# Allegro board HB1A-AAFM.brd (continued)
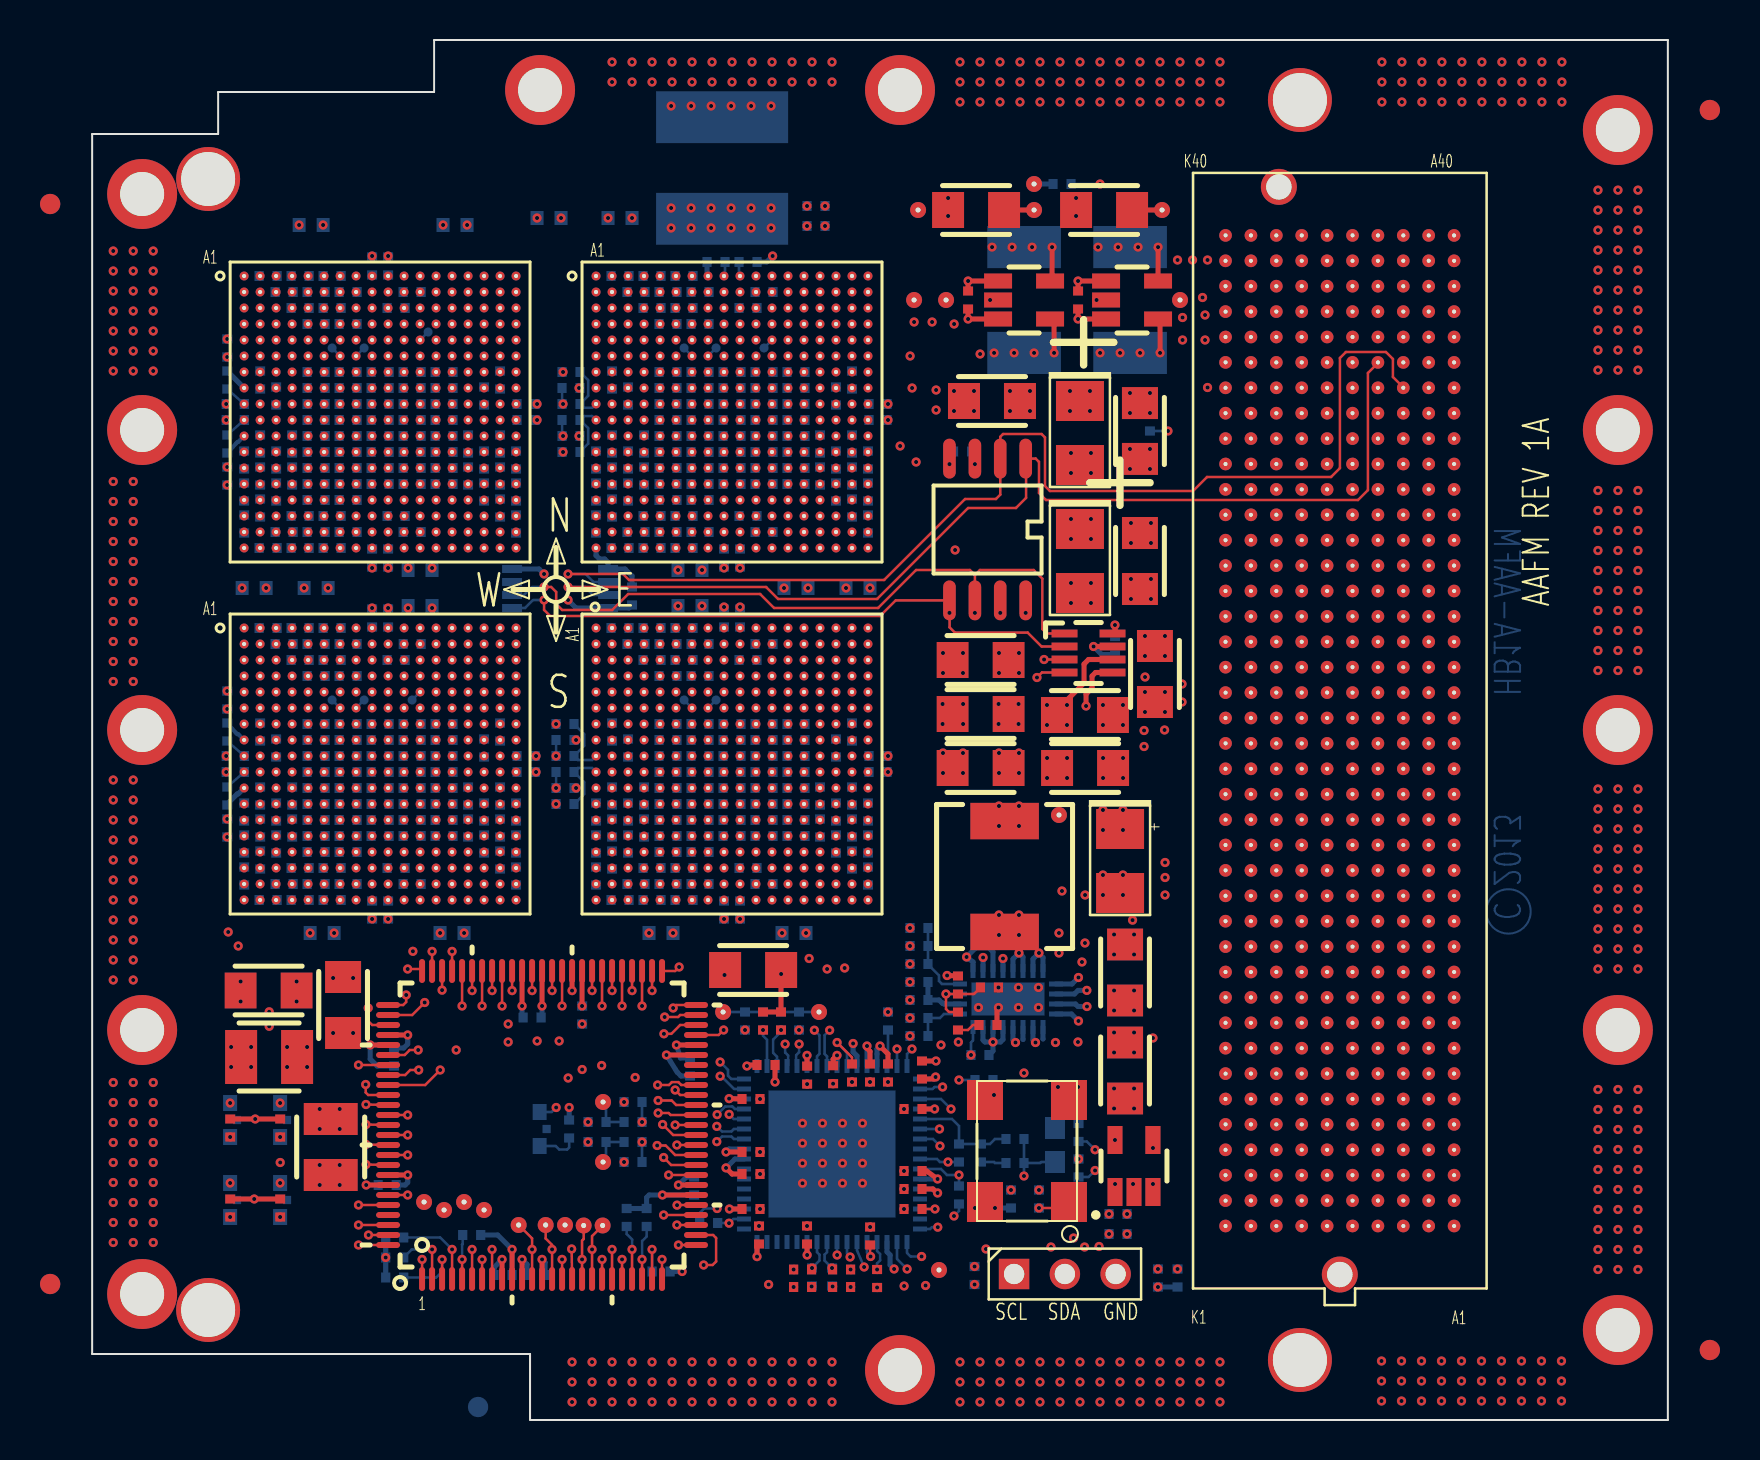
[diagram p0: board, top side]
## Nets (continued)
LR_LL_WE_DATA_P_1: R188.1 U7.T17(RXI_EA_DATA_P1) U8.F3(TXO_WE_DATA_P1)
LR_LL_WE_DATA_P_2: R194.1 U7.R16(RXI_EA_DATA_P2) U8.E2(TXO_WE_DATA_P2)
LR_LL_WE_DATA_P_3: R199.1 U7.P15(RXI_EA_DATA_P3) U8.D1(TXO_WE_DATA_P3)
LR_LL_WE_DATA_P_4: R179.1 U7.R18(RXI_EA_DATA_P4) U8.E4(TXO_WE_DATA_P4)
LR_LL_WE_DATA_P_5: R187.1 U7.P17(RXI_EA_DATA_P5) U8.D3(TXO_WE_DATA_P5)
LR_LL_WE_DATA_P_6: R193.1 U7.N16(RXI_EA_DATA_P6) U8.C2(TXO_WE_DATA_P6)
LR_LL_WE_DATA_P_7: R198.1 U7.M15(RXI_EA_DATA_P7) U8.B1(TXO_WE_DATA_P7)
LR_LL_WE_FRAME_N: R186.2 U7.L17(RXI_EA_FRAME_N) U8.K4(TXO_WE_FRAME_N)
LR_LL_WE_FRAME_P: R186.1 U7.M17(RXI_EA_FRAME_P) U8.J4(TXO_WE_FRAME_P)
LR_LL_WE_LCLK_N: R178.2 U7.M18(RXI_EA_LCLK_N) U8.G1(TXO_WE_LCLK_N)
LR_LL_WE_LCLK_P: R178.1 U7.N18(RXI_EA_LCLK_P) U8.F1(TXO_WE_LCLK_P)
LR_LL_WE_RD_WAIT_N: R147.2 U7.J17(RXO_EA_RD_WAIT_N) U8.H2(TXI_WE_RD_WAIT_N)
LR_LL_WE_RD_WAIT_P: R147.1 U7.K17(RXO_EA_RD_WAIT_P) U8.G2(TXI_WE_RD_WAIT_P)
LR_LL_WE_WR_WAIT_N: R136.2 U7.K16(RXO_EA_WR_WAIT_N) U8.J3(TXI_WE_WR_WAIT_N)
LR_LL_WE_WR_WAIT_P: R136.1 U7.L16(RXO_EA_WR_WAIT_P) U8.H3(TXI_WE_WR_WAIT_P)
LR_RESET_L: R195.2 TP24.1(TP) U8.F11(RESET_N) U9.5(IO_B0_5)
LR_RXI_EA_DATA_N_0: P1.J25(HB01_N) R44.2 U8.T18(RXI_EA_DATA_N0)
LR_RXI_EA_DATA_N_1: P1.F23(HB02_N) R52.2 U8.R17(RXI_EA_DATA_N1)
LR_RXI_EA_DATA_N_2: P1.E22(HB03_N) R59.2 U8.P16(RXI_EA_DATA_N2)
LR_RXI_EA_DATA_N_3: P1.F26(HB04_N) R64.2 U8.N15(RXI_EA_DATA_N3)
LR_RXI_EA_DATA_N_4: P1.E25(HB05_N) R43.2 U8.P18(RXI_EA_DATA_N4)
LR_RXI_EA_DATA_N_5: P1.K29(HB06_N_CC) R51.2 U8.N17(RXI_EA_DATA_N5)
LR_RXI_EA_DATA_N_6: P1.J28(HB07_N) R58.2 U8.M16(RXI_EA_DATA_N6)
LR_RXI_EA_DATA_N_7: P1.F29(HB08_N) R63.2 U8.L15(RXI_EA_DATA_N7)
LR_RXI_EA_DATA_P_0: P1.J24(HB01_P) R44.1 U8.U18(RXI_EA_DATA_P0)
LR_RXI_EA_DATA_P_1: P1.F22(HB02_P) R52.1 U8.T17(RXI_EA_DATA_P1)
LR_RXI_EA_DATA_P_2: P1.E21(HB03_P) R59.1 U8.R16(RXI_EA_DATA_P2)
LR_RXI_EA_DATA_P_3: P1.F25(HB04_P) R64.1 U8.P15(RXI_EA_DATA_P3)
LR_RXI_EA_DATA_P_4: P1.E24(HB05_P) R43.1 U8.R18(RXI_EA_DATA_P4)
LR_RXI_EA_DATA_P_5: P1.K28(HB06_P_CC) R51.1 U8.P17(RXI_EA_DATA_P5)
LR_RXI_EA_DATA_P_6: P1.J27(HB07_P) R58.1 U8.N16(RXI_EA_DATA_P6)
LR_RXI_EA_DATA_P_7: P1.F28(HB08_P) R63.1 U8.M15(RXI_EA_DATA_P7)
LR_RXI_EA_FRAME_N: P1.E28(HB09_N) R50.2 U8.L17(RXI_EA_FRAME_N)
LR_RXI_EA_FRAME_P: P1.E27(HB09_P) R50.1 U8.M17(RXI_EA_FRAME_P)
LR_RXI_EA_LCLK_N: P1.K26(HB00_N_CC) R42.2 U8.M18(RXI_EA_LCLK_N)
LR_RXI_EA_LCLK_P: P1.K25(HB00_P_CC) R42.1 U8.N18(RXI_EA_LCLK_P)
LR_RXO_EA_RD_WAIT_N: P1.K32(HB10_N) U8.J17(RXO_EA_RD_WAIT_N)
LR_RXO_EA_RD_WAIT_P: P1.K31(HB10_P) U8.K17(RXO_EA_RD_WAIT_P)
LR_RXO_EA_WR_WAIT_N: P1.J31(HB11_N) U8.K16(RXO_EA_WR_WAIT_N)
LR_RXO_EA_WR_WAIT_P: P1.J30(HB11_P) U8.L16(RXO_EA_WR_WAIT_P)
LR_SCLKI_XID1: U8.E8(SCLKI_XID1) U9.88(IO_B1_88)
LR_SCLKO_YID1: U8.E11(SCLKO_YID1) U9.92(IO_B1_92)
LR_SDI_XID2: U8.F10(SDI_XID2) U9.89(IO_B1_89)
LR_SDO_YID2: U8.E9(SDO_YID2) U9.95(IO_B1_95)
LR_TXI_EA_RD_WAIT_N: P1.K14(HA10_N) R49.2 U8.G17(TXI_EA_RD_WAIT_N)
LR_TXI_EA_RD_WAIT_P: P1.K13(HA10_P) R49.1 U8.H17(TXI_EA_RD_WAIT_P)
LR_TXI_EA_WR_WAIT_N: P1.J13(HA11_N) R57.2 U8.H16(TXI_EA_WR_WAIT_N)
LR_TXI_EA_WR_WAIT_P: P1.J12(HA11_P) R57.1 U8.J16(TXI_EA_WR_WAIT_P)
LR_TXO_EA_DATA_N_0: P1.E3(HA01_N_CC) U8.G15(TXO_EA_DATA_N0)
LR_TXO_EA_DATA_N_1: P1.K8(HA02_N) U8.F16(TXO_EA_DATA_N1)
LR_TXO_EA_DATA_N_2: P1.J7(HA03_N) U8.E17(TXO_EA_DATA_N2)
LR_TXO_EA_DATA_N_3: P1.F8(HA04_N) U8.D18(TXO_EA_DATA_N3)
LR_TXO_EA_DATA_N_4: P1.E7(HA05_N) U8.E15(TXO_EA_DATA_N4)
LR_TXO_EA_DATA_N_5: P1.K11(HA06_N) U8.D16(TXO_EA_DATA_N5)
LR_TXO_EA_DATA_N_6: P1.J10(HA07_N) U8.C17(TXO_EA_DATA_N6)
LR_TXO_EA_DATA_N_7: P1.F11(HA08_N) U8.B18(TXO_EA_DATA_N7)
LR_TXO_EA_DATA_P_0: P1.E2(HA01_P_CC) U8.H15(TXO_EA_DATA_P0)
LR_TXO_EA_DATA_P_1: P1.K7(HA02_P) U8.G16(TXO_EA_DATA_P1)
LR_TXO_EA_DATA_P_2: P1.J6(HA03_P) U8.F17(TXO_EA_DATA_P2)
LR_TXO_EA_DATA_P_3: P1.F7(HA04_P) U8.E18(TXO_EA_DATA_P3)
LR_TXO_EA_DATA_P_4: P1.E6(HA05_P) U8.F15(TXO_EA_DATA_P4)
LR_TXO_EA_DATA_P_5: P1.K10(HA06_P) U8.E16(TXO_EA_DATA_P5)
LR_TXO_EA_DATA_P_6: P1.J9(HA07_P) U8.D17(TXO_EA_DATA_P6)
LR_TXO_EA_DATA_P_7: P1.F10(HA08_P) U8.C18(TXO_EA_DATA_P7)
LR_TXO_EA_FRAME_N: P1.E10(HA09_N) U8.J15(TXO_EA_FRAME_N)
LR_TXO_EA_FRAME_P: P1.E9(HA09_P) U8.K15(TXO_EA_FRAME_P)
LR_TXO_EA_LCLK_N: P1.F5(HA00_N_CC) U8.F18(TXO_EA_LCLK_N)
LR_TXO_EA_LCLK_P: P1.F4(HA00_P_CC) U8.G18(TXO_EA_LCLK_P)
LR_UR_NS_DATA_N_0: R140.2 U4.V3(RXI_SO_DATA_N0) U8.D11(TXO_NO_DATA_N0)
LR_UR_NS_DATA_N_1: R126.2 U4.U4(RXI_SO_DATA_N1) U8.C12(TXO_NO_DATA_N1)
LR_UR_NS_DATA_N_2: R115.2 U4.T5(RXI_SO_DATA_N2) U8.B13(TXO_NO_DATA_N2)
LR_UR_NS_DATA_N_3: R107.2 U4.R6(RXI_SO_DATA_N3) U8.A14(TXO_NO_DATA_N3)
LR_UR_NS_DATA_N_4: R116.2 U4.V5(RXI_SO_DATA_N4) U8.D13(TXO_NO_DATA_N4)
LR_UR_NS_DATA_N_5: R108.2 U4.U6(RXI_SO_DATA_N5) U8.C14(TXO_NO_DATA_N5)
LR_UR_NS_DATA_N_6: R99.2 U4.T7(RXI_SO_DATA_N6) U8.B15(TXO_NO_DATA_N6)
LR_UR_NS_DATA_N_7: R91.2 U4.R8(RXI_SO_DATA_N7) U8.A16(TXO_NO_DATA_N7)
LR_UR_NS_DATA_P_0: R140.1 U4.V2(RXI_SO_DATA_P0) U8.D12(TXO_NO_DATA_P0)
LR_UR_NS_DATA_P_1: R126.1 U4.U3(RXI_SO_DATA_P1) U8.C13(TXO_NO_DATA_P1)
LR_UR_NS_DATA_P_2: R115.1 U4.T4(RXI_SO_DATA_P2) U8.B14(TXO_NO_DATA_P2)
LR_UR_NS_DATA_P_3: R107.1 U4.R5(RXI_SO_DATA_P3) U8.A15(TXO_NO_DATA_P3)
LR_UR_NS_DATA_P_4: R116.1 U4.V4(RXI_SO_DATA_P4) U8.D14(TXO_NO_DATA_P4)
LR_UR_NS_DATA_P_5: R108.1 U4.U5(RXI_SO_DATA_P5) U8.C15(TXO_NO_DATA_P5)
LR_UR_NS_DATA_P_6: R99.1 U4.T6(RXI_SO_DATA_P6) U8.B16(TXO_NO_DATA_P6)
LR_UR_NS_DATA_P_7: R91.1 U4.R7(RXI_SO_DATA_P7) U8.A17(TXO_NO_DATA_P7)
LR_UR_NS_FRAME_N: R92.2 U4.U8(RXI_SO_FRAME_N) U8.D9(TXO_NO_FRAME_N)
LR_UR_NS_FRAME_P: R92.1 U4.U7(RXI_SO_FRAME_P) U8.D10(TXO_NO_FRAME_P)
LR_UR_NS_LCLK_N: R100.2 U4.V7(RXI_SO_LCLK_N) U8.A12(TXO_NO_LCLK_N)
LR_UR_NS_LCLK_P: R100.1 U4.V6(RXI_SO_LCLK_P) U8.A13(TXO_NO_LCLK_P)
LR_UR_NS_RD_WAIT_N: R71.2 U4.U10(RXO_SO_RD_WAIT_N) U8.B11(TXI_NO_RD_WAIT_N)
LR_UR_NS_RD_WAIT_P: R71.1 U4.U9(RXO_SO_RD_WAIT_P) U8.B12(TXI_NO_RD_WAIT_P)
LR_UR_NS_WR_WAIT_N: R77.2 U4.T9(RXO_SO_WR_WAIT_N) U8.C10(TXI_NO_WR_WAIT_N)
LR_UR_NS_WR_WAIT_P: R77.1 U4.T8(RXO_SO_WR_WAIT_P) U8.C11(TXI_NO_WR_WAIT_P)
LR_UR_SN_DATA_N_0: R139.2 U4.A2(RXI_NO_DATA_N0) U8.R12(TXO_SO_DATA_N0)
LR_UR_SN_DATA_N_1: R125.2 U4.B3(RXI_NO_DATA_N1) U8.T13(TXO_SO_DATA_N1)
LR_UR_SN_DATA_N_2: R114.2 U4.C4(RXI_NO_DATA_N2) U8.U14(TXO_SO_DATA_N2)
LR_UR_SN_DATA_N_3: R106.2 U4.D5(RXI_NO_DATA_N3) U8.V15(TXO_SO_DATA_N3)
LR_UR_SN_DATA_N_4: R113.2 U4.A4(RXI_NO_DATA_N4) U8.R14(TXO_SO_DATA_N4)
LR_UR_SN_DATA_N_5: R105.2 U4.B5(RXI_NO_DATA_N5) U8.T15(TXO_SO_DATA_N5)
LR_UR_SN_DATA_N_6: R98.2 U4.C6(RXI_NO_DATA_N6) U8.U16(TXO_SO_DATA_N6)
LR_UR_SN_DATA_N_7: R90.2 U4.D7(RXI_NO_DATA_N7) U8.V17(TXO_SO_DATA_N7)
LR_UR_SN_DATA_P_0: R139.1 U4.A3(RXI_NO_DATA_P0) U8.R11(TXO_SO_DATA_P0)
LR_UR_SN_DATA_P_1: R125.1 U4.B4(RXI_NO_DATA_P1) U8.T12(TXO_SO_DATA_P1)
LR_UR_SN_DATA_P_2: R114.1 U4.C5(RXI_NO_DATA_P2) U8.U13(TXO_SO_DATA_P2)
LR_UR_SN_DATA_P_3: R106.1 U4.D6(RXI_NO_DATA_P3) U8.V14(TXO_SO_DATA_P3)
LR_UR_SN_DATA_P_4: R113.1 U4.A5(RXI_NO_DATA_P4) U8.R13(TXO_SO_DATA_P4)
LR_UR_SN_DATA_P_5: R105.1 U4.B6(RXI_NO_DATA_P5) U8.T14(TXO_SO_DATA_P5)
LR_UR_SN_DATA_P_6: R98.1 U4.C7(RXI_NO_DATA_P6) U8.U15(TXO_SO_DATA_P6)
LR_UR_SN_DATA_P_7: R90.1 U4.D8(RXI_NO_DATA_P7) U8.V16(TXO_SO_DATA_P7)
LR_UR_SN_FRAME_N: R89.2 U4.B7(RXI_NO_FRAME_N) U8.R10(TXO_SO_FRAME_N)
LR_UR_SN_FRAME_P: R89.1 U4.B8(RXI_NO_FRAME_P) U8.R9(TXO_SO_FRAME_P)
LR_UR_SN_LCLK_N: R97.2 U4.A6(RXI_NO_LCLK_N) U8.V13(TXO_SO_LCLK_N)
LR_UR_SN_LCLK_P: R97.1 U4.A7(RXI_NO_LCLK_P) U8.V12(TXO_SO_LCLK_P)
LR_UR_SN_RD_WAIT_N: R72.2 U4.B9(RXO_NO_RD_WAIT_N) U8.U12(TXI_SO_RD_WAIT_N)
LR_UR_SN_RD_WAIT_P: R72.1 U4.B10(RXO_NO_RD_WAIT_P) U8.U11(TXI_SO_RD_WAIT_P)
LR_UR_SN_WR_WAIT_N: R78.2 U4.C8(RXO_NO_WR_WAIT_N) U8.T11(TXI_SO_WR_WAIT_N)
LR_UR_SN_WR_WAIT_P: R78.1 U4.C9(RXO_NO_WR_WAIT_P) U8.T10(TXI_SO_WR_WAIT_P)
LR_XID3: U8.E7(XID3) U9.90(IO_B1_90)
LR_YID3: U8.F9(YID3) U9.96(IO_B1_96)
MVDD_2611: TP30.1(TP) U3.F8(MVDD)
MVDD_8849: TP14.1(TP) U8.F8(MVDD)
MVDD_11343: TP13.1(TP) U4.F8(MVDD)
MVDD_12570: TP31.1(TP) U7.F8(MVDD)
MVSS_2612: TP32.1(TP) U3.F7(MVSS)
MVSS_8850: TP16.1(TP) U8.F7(MVSS)
MVSS_11344: TP15.1(TP) U4.F7(MVSS)
MVSS_12571: TP33.1(TP) U7.F7(MVSS)
N6941986_2660: R211.2 U3.V10(RXI_SO_CCLK_N)
N6941986_8980: R83.2 U8.V10(RXI_SO_CCLK_N)
N6941986_11474: R81.2 U4.V10(RXI_SO_CCLK_N)
N6941986_12701: R213.2 U7.V10(RXI_SO_CCLK_N)
N6941990_2788: R216.2 U3.V9(RXI_SO_CCLK_P)
N6941990_9050: R86.2 U8.V9(RXI_SO_CCLK_P)
N6941990_11544: R84.2 U4.V9(RXI_SO_CCLK_P)
N6941990_12771: R218.2 U7.V9(RXI_SO_CCLK_P)
N6943060_2791: R215.2 U3.A9(RXI_NO_CCLK_N)
N6943060_9052: R85.2 U8.A9(RXI_NO_CCLK_N)
N6943060_11546: R88.2 U4.A9(RXI_NO_CCLK_N)
N6943060_12773: R217.2 U7.A9(RXI_NO_CCLK_N)
N6943064_2776: R210.2 U3.A10(RXI_NO_CCLK_P)
N6943064_9042: R82.2 U8.A10(RXI_NO_CCLK_P)
N6943064_11536: R74.2 U4.A10(RXI_NO_CCLK_P)
N6943064_12763: R212.2 U7.A10(RXI_NO_CCLK_P)
N6963102_4862: R171.2 U3.J18(RXI_EA_CCLK_N)
N6963102_8885: R37.2 U8.J18(RXI_EA_CCLK_N)
N6963102_11379: R35.2 U4.J18(RXI_EA_CCLK_N)
N6963102_12606: R173.2 U7.J18(RXI_EA_CCLK_N)
N6963106_4813: R172.2 U3.K18(RXI_EA_CCLK_P)
N6963106_8902: R38.2 U8.K18(RXI_EA_CCLK_P)
N6963106_11396: R36.2 U4.K18(RXI_EA_CCLK_P)
N6963106_12623: R174.2 U7.K18(RXI_EA_CCLK_P)
PGOOD_1V0: R24.2 U9.98(IO_B1_98) U11.20(PGOOD)
PVADJ: C5.1 C6.1 C30.1 C36.1 C118.1 C136.1 C139.1 C141.1 C142.1 C143.1 C180.1 C181.1 P1.E39(VADJ) P1.F40(VADJ) P1.G39(VADJ) P1.H40(VADJ) R1.1 R17.2 R18.2 R20.1 R28.1 R297.2 R298.2 R300.1 R302.1 R306.2 TP1.1(TP) U1.4(RS+) U6.5(VIN2) U9.9(VCCIO1#9) U9.13(VCCINT#13) U9.31(VCCIO1#31) U9.45(VCCIO1#45) U9.59(VCCIO2#59) U9.63(VCCINT#63) U9.80(VCCIO2#80) U9.94(VCCIO2#94)
REF_OSC: R22.2 U12.64(REF_P (REF1))
REFCLK_C2M: U10.5(R) U12.63(REF_N (REF2))
RIGHT_CCLK_STUB_N: R131.2 R152.1 TP18.1(TP)
RIGHT_CCLK_STUB_P: R130.2 R151.1 TP17.1(TP)
SS_1V0: R27.2 R28.2 R29.1 U11.24(TRACK/SS)
UL_CCLK_N: R286.2 R288.1 U3.K1(RXI_WE_CCLK_N)
UL_CCLK_P: R283.1 R285.2 U3.J1(RXI_WE_CCLK_P)
UL_CSBI_XID0: U3.F12(CSBI_XID0) U9.1(IO_B1_1)
UL_CSBO_YID0: U3.E10(CSBO_YID0) U9.55(IO_B1_55)
UL_FLAG_DSP: TP27.1(TP) U3.E12(FLAG) U9.6(IO_B0_6)
UL_LL_NS_DATA_N_0: R267.2 U3.D11(TXO_NO_DATA_N0) U7.V3(RXI_SO_DATA_N0)
UL_LL_NS_DATA_N_1: R259.2 U3.C12(TXO_NO_DATA_N1) U7.U4(RXI_SO_DATA_N1)
UL_LL_NS_DATA_N_2: R249.2 U3.B13(TXO_NO_DATA_N2) U7.T5(RXI_SO_DATA_N2)
UL_LL_NS_DATA_N_3: R241.2 U3.A14(TXO_NO_DATA_N3) U7.R6(RXI_SO_DATA_N3)
UL_LL_NS_DATA_N_4: R250.2 U3.D13(TXO_NO_DATA_N4) U7.V5(RXI_SO_DATA_N4)
UL_LL_NS_DATA_N_5: R242.2 U3.C14(TXO_NO_DATA_N5) U7.U6(RXI_SO_DATA_N5)
UL_LL_NS_DATA_N_6: R233.2 U3.B15(TXO_NO_DATA_N6) U7.T7(RXI_SO_DATA_N6)
UL_LL_NS_DATA_N_7: R225.2 U3.A16(TXO_NO_DATA_N7) U7.R8(RXI_SO_DATA_N7)
UL_LL_NS_DATA_P_0: R267.1 U3.D12(TXO_NO_DATA_P0) U7.V2(RXI_SO_DATA_P0)
UL_LL_NS_DATA_P_1: R259.1 U3.C13(TXO_NO_DATA_P1) U7.U3(RXI_SO_DATA_P1)
UL_LL_NS_DATA_P_2: R249.1 U3.B14(TXO_NO_DATA_P2) U7.T4(RXI_SO_DATA_P2)
UL_LL_NS_DATA_P_3: R241.1 U3.A15(TXO_NO_DATA_P3) U7.R5(RXI_SO_DATA_P3)
UL_LL_NS_DATA_P_4: R250.1 U3.D14(TXO_NO_DATA_P4) U7.V4(RXI_SO_DATA_P4)
UL_LL_NS_DATA_P_5: R242.1 U3.C15(TXO_NO_DATA_P5) U7.U5(RXI_SO_DATA_P5)
UL_LL_NS_DATA_P_6: R233.1 U3.B16(TXO_NO_DATA_P6) U7.T6(RXI_SO_DATA_P6)
UL_LL_NS_DATA_P_7: R225.1 U3.A17(TXO_NO_DATA_P7) U7.R7(RXI_SO_DATA_P7)
UL_LL_NS_FRAME_N: R226.2 U3.D9(TXO_NO_FRAME_N) U7.U8(RXI_SO_FRAME_N)
UL_LL_NS_FRAME_P: R226.1 U3.D10(TXO_NO_FRAME_P) U7.U7(RXI_SO_FRAME_P)
UL_LL_NS_LCLK_N: R234.2 U3.A12(TXO_NO_LCLK_N) U7.V7(RXI_SO_LCLK_N)
UL_LL_NS_LCLK_P: R234.1 U3.A13(TXO_NO_LCLK_P) U7.V6(RXI_SO_LCLK_P)
UL_LL_NS_RD_WAIT_N: R203.2 U3.B11(TXI_NO_RD_WAIT_N) U7.U10(RXO_SO_RD_WAIT_N)
UL_LL_NS_RD_WAIT_P: R203.1 U3.B12(TXI_NO_RD_WAIT_P) U7.U9(RXO_SO_RD_WAIT_P)
UL_LL_NS_WR_WAIT_N: R206.2 U3.C10(TXI_NO_WR_WAIT_N) U7.T9(RXO_SO_WR_WAIT_N)
UL_LL_NS_WR_WAIT_P: R206.1 U3.C11(TXI_NO_WR_WAIT_P) U7.T8(RXO_SO_WR_WAIT_P)
UL_LL_SN_DATA_N_0: R266.2 U3.R12(TXO_SO_DATA_N0) U7.A2(RXI_NO_DATA_N0)
UL_LL_SN_DATA_N_1: R258.2 U3.T13(TXO_SO_DATA_N1) U7.B3(RXI_NO_DATA_N1)
UL_LL_SN_DATA_N_2: R248.2 U3.U14(TXO_SO_DATA_N2) U7.C4(RXI_NO_DATA_N2)
UL_LL_SN_DATA_N_3: R240.2 U3.V15(TXO_SO_DATA_N3) U7.D5(RXI_NO_DATA_N3)
UL_LL_SN_DATA_N_4: R247.2 U3.R14(TXO_SO_DATA_N4) U7.A4(RXI_NO_DATA_N4)
UL_LL_SN_DATA_N_5: R239.2 U3.T15(TXO_SO_DATA_N5) U7.B5(RXI_NO_DATA_N5)
UL_LL_SN_DATA_N_6: R232.2 U3.U16(TXO_SO_DATA_N6) U7.C6(RXI_NO_DATA_N6)
UL_LL_SN_DATA_N_7: R224.2 U3.V17(TXO_SO_DATA_N7) U7.D7(RXI_NO_DATA_N7)
UL_LL_SN_DATA_P_0: R266.1 U3.R11(TXO_SO_DATA_P0) U7.A3(RXI_NO_DATA_P0)
UL_LL_SN_DATA_P_1: R258.1 U3.T12(TXO_SO_DATA_P1) U7.B4(RXI_NO_DATA_P1)
UL_LL_SN_DATA_P_2: R248.1 U3.U13(TXO_SO_DATA_P2) U7.C5(RXI_NO_DATA_P2)
UL_LL_SN_DATA_P_3: R240.1 U3.V14(TXO_SO_DATA_P3) U7.D6(RXI_NO_DATA_P3)
UL_LL_SN_DATA_P_4: R247.1 U3.R13(TXO_SO_DATA_P4) U7.A5(RXI_NO_DATA_P4)
UL_LL_SN_DATA_P_5: R239.1 U3.T14(TXO_SO_DATA_P5) U7.B6(RXI_NO_DATA_P5)
UL_LL_SN_DATA_P_6: R232.1 U3.U15(TXO_SO_DATA_P6) U7.C7(RXI_NO_DATA_P6)
UL_LL_SN_DATA_P_7: R224.1 U3.V16(TXO_SO_DATA_P7) U7.D8(RXI_NO_DATA_P7)
UL_LL_SN_FRAME_N: R223.2 U3.R10(TXO_SO_FRAME_N) U7.B7(RXI_NO_FRAME_N)
UL_LL_SN_FRAME_P: R223.1 U3.R9(TXO_SO_FRAME_P) U7.B8(RXI_NO_FRAME_P)
UL_LL_SN_LCLK_N: R231.2 U3.V13(TXO_SO_LCLK_N) U7.A6(RXI_NO_LCLK_N)
UL_LL_SN_LCLK_P: R231.1 U3.V12(TXO_SO_LCLK_P) U7.A7(RXI_NO_LCLK_P)
UL_LL_SN_RD_WAIT_N: R204.2 U3.U12(TXI_SO_RD_WAIT_N) U7.B9(RXO_NO_RD_WAIT_N)
UL_LL_SN_RD_WAIT_P: R204.1 U3.U11(TXI_SO_RD_WAIT_P) U7.B10(RXO_NO_RD_WAIT_P)
UL_LL_SN_WR_WAIT_N: R207.2 U3.T11(TXI_SO_WR_WAIT_N) U7.C8(RXO_NO_WR_WAIT_N)
UL_LL_SN_WR_WAIT_P: R207.1 U3.T10(TXI_SO_WR_WAIT_P) U7.C9(RXO_NO_WR_WAIT_P)
UL_RESET_L: R202.2 TP28.1(TP) U3.F11(RESET_N) U9.2(IO_B0_2)
UL_SCLKI_XID1: U3.E8(SCLKI_XID1) U9.52(IO_B1_52)
UL_SCLKO_YID1: U3.E11(SCLKO_YID1) U9.56(IO_B1_56)
UL_SDI_XID2: U3.F10(SDI_XID2) U9.53(IO_B1_53)
UL_SDO_YID2: U3.E9(SDO_YID2) U9.57(IO_B1_57)
UL_UL_WW_DATA_N_0: R251.2 U3.H4(TXO_WE_DATA_N0) U3.U1(RXI_WE_DATA_N0)
UL_UL_WW_DATA_N_1: R273.2 U3.G3(TXO_WE_DATA_N1) U3.T2(RXI_WE_DATA_N1)
UL_UL_WW_DATA_N_2: R269.2 U3.F2(TXO_WE_DATA_N2) U3.R3(RXI_WE_DATA_N2)
UL_UL_WW_DATA_N_3: R253.2 U3.E1(TXO_WE_DATA_N3) U3.P4(RXI_WE_DATA_N3)
UL_UL_WW_DATA_N_4: R279.2 U3.F4(TXO_WE_DATA_N4) U3.R1(RXI_WE_DATA_N4)
UL_UL_WW_DATA_N_5: R272.2 U3.E3(TXO_WE_DATA_N5) U3.P2(RXI_WE_DATA_N5)
UL_UL_WW_DATA_N_6: R268.2 U3.D2(TXO_WE_DATA_N6) U3.N3(RXI_WE_DATA_N6)
UL_UL_WW_DATA_N_7: R252.2 U3.C1(TXO_WE_DATA_N7) U3.M4(RXI_WE_DATA_N7)
UL_UL_WW_DATA_P_0: R251.1 U3.G4(TXO_WE_DATA_P0) U3.T1(RXI_WE_DATA_P0)
UL_UL_WW_DATA_P_1: R273.1 U3.F3(TXO_WE_DATA_P1) U3.R2(RXI_WE_DATA_P1)
UL_UL_WW_DATA_P_2: R269.1 U3.E2(TXO_WE_DATA_P2) U3.P3(RXI_WE_DATA_P2)
UL_UL_WW_DATA_P_3: R253.1 U3.D1(TXO_WE_DATA_P3) U3.N4(RXI_WE_DATA_P3)
UL_UL_WW_DATA_P_4: R279.1 U3.E4(TXO_WE_DATA_P4) U3.P1(RXI_WE_DATA_P4)
UL_UL_WW_DATA_P_5: R272.1 U3.D3(TXO_WE_DATA_P5) U3.N2(RXI_WE_DATA_P5)
UL_UL_WW_DATA_P_6: R268.1 U3.C2(TXO_WE_DATA_P6) U3.M3(RXI_WE_DATA_P6)
UL_UL_WW_DATA_P_7: R252.1 U3.B1(TXO_WE_DATA_P7) U3.L4(RXI_WE_DATA_P7)
UL_UL_WW_FRAME_N: R271.2 U3.K4(TXO_WE_FRAME_N) U3.M2(RXI_WE_FRAME_N)
UL_UL_WW_FRAME_P: R271.1 U3.J4(TXO_WE_FRAME_P) U3.L2(RXI_WE_FRAME_P)
UL_UL_WW_LCLK_N: R278.2 U3.G1(TXO_WE_LCLK_N) U3.N1(RXI_WE_LCLK_N)
UL_UL_WW_LCLK_P: R278.1 U3.F1(TXO_WE_LCLK_P) U3.M1(RXI_WE_LCLK_P)
UL_UL_WW_RD_WAIT_N: R270.2 U3.H2(TXI_WE_RD_WAIT_N) U3.K2(RXO_WE_RD_WAIT_N)
UL_UL_WW_RD_WAIT_P: R270.1 U3.G2(TXI_WE_RD_WAIT_P) U3.J2(RXO_WE_RD_WAIT_P)
UL_UL_WW_WR_WAIT_N: R260.2 U3.J3(TXI_WE_WR_WAIT_N) U3.L3(RXO_WE_WR_WAIT_N)
UL_UL_WW_WR_WAIT_P: R260.1 U3.H3(TXI_WE_WR_WAIT_P) U3.K3(RXO_WE_WR_WAIT_P)
UL_UR_EW_DATA_N_0: R155.2 U3.G15(TXO_EA_DATA_N0) U4.U1(RXI_WE_DATA_N0)
UL_UR_EW_DATA_N_1: R146.2 U3.F16(TXO_EA_DATA_N1) U4.T2(RXI_WE_DATA_N1)
UL_UR_EW_DATA_N_2: R135.2 U3.E17(TXO_EA_DATA_N2) U4.R3(RXI_WE_DATA_N2)
UL_UR_EW_DATA_N_3: R122.2 U3.D18(TXO_EA_DATA_N3) U4.P4(RXI_WE_DATA_N3)
UL_UR_EW_DATA_N_4: R154.2 U3.E15(TXO_EA_DATA_N4) U4.R1(RXI_WE_DATA_N4)
UL_UR_EW_DATA_N_5: R145.2 U3.D16(TXO_EA_DATA_N5) U4.P2(RXI_WE_DATA_N5)
UL_UR_EW_DATA_N_6: R134.2 U3.C17(TXO_EA_DATA_N6) U4.N3(RXI_WE_DATA_N6)
UL_UR_EW_DATA_N_7: R121.2 U3.B18(TXO_EA_DATA_N7) U4.M4(RXI_WE_DATA_N7)
UL_UR_EW_DATA_P_0: R155.1 U3.H15(TXO_EA_DATA_P0) U4.T1(RXI_WE_DATA_P0)
UL_UR_EW_DATA_P_1: R146.1 U3.G16(TXO_EA_DATA_P1) U4.R2(RXI_WE_DATA_P1)
UL_UR_EW_DATA_P_2: R135.1 U3.F17(TXO_EA_DATA_P2) U4.P3(RXI_WE_DATA_P2)
UL_UR_EW_DATA_P_3: R122.1 U3.E18(TXO_EA_DATA_P3) U4.N4(RXI_WE_DATA_P3)
UL_UR_EW_DATA_P_4: R154.1 U3.F15(TXO_EA_DATA_P4) U4.P1(RXI_WE_DATA_P4)
UL_UR_EW_DATA_P_5: R145.1 U3.E16(TXO_EA_DATA_P5) U4.N2(RXI_WE_DATA_P5)
UL_UR_EW_DATA_P_6: R134.1 U3.D17(TXO_EA_DATA_P6) U4.M3(RXI_WE_DATA_P6)
UL_UR_EW_DATA_P_7: R121.1 U3.C18(TXO_EA_DATA_P7) U4.L4(RXI_WE_DATA_P7)
UL_UR_EW_FRAME_N: R144.2 U3.J15(TXO_EA_FRAME_N) U4.M2(RXI_WE_FRAME_N)
UL_UR_EW_FRAME_P: R144.1 U3.K15(TXO_EA_FRAME_P) U4.L2(RXI_WE_FRAME_P)
UL_UR_EW_LCLK_N: R153.2 U3.F18(TXO_EA_LCLK_N) U4.N1(RXI_WE_LCLK_N)
UL_UR_EW_LCLK_P: R153.1 U3.G18(TXO_EA_LCLK_P) U4.M1(RXI_WE_LCLK_P)
UL_UR_EW_RD_WAIT_N: R181.2 U3.G17(TXI_EA_RD_WAIT_N) U4.K2(RXO_WE_RD_WAIT_N)
UL_UR_EW_RD_WAIT_P: R181.1 U3.H17(TXI_EA_RD_WAIT_P) U4.J2(RXO_WE_RD_WAIT_P)
UL_UR_EW_WR_WAIT_N: R189.2 U3.H16(TXI_EA_WR_WAIT_N) U4.L3(RXO_WE_WR_WAIT_N)
UL_UR_EW_WR_WAIT_P: R189.1 U3.J16(TXI_EA_WR_WAIT_P) U4.K3(RXO_WE_WR_WAIT_P)
UL_XID3: U3.E7(XID3) U9.54(IO_B1_54)
UL_YID3: U3.F9(YID3) U9.58(IO_B1_58)
UR_CCLK_N: R162.2 R164.1 U4.K1(RXI_WE_CCLK_N)
UR_CCLK_P: R159.1 R161.2 U4.J1(RXI_WE_CCLK_P)
UR_CSBI_XID0: U4.F12(CSBI_XID0) U9.61(IO_B1_61)
UR_CSBO_YID0: U4.E10(CSBO_YID0) U9.69(IO_B1_69)
UR_FLAG_DSP: TP11.1(TP) U4.E12(FLAG) U9.7(IO_B0_7)
UR_LR_NS_DATA_N_0: R142.2 U4.D11(TXO_NO_DATA_N0) U8.V3(RXI_SO_DATA_N0)
UR_LR_NS_DATA_N_1: R128.2 U4.C12(TXO_NO_DATA_N1) U8.U4(RXI_SO_DATA_N1)
UR_LR_NS_DATA_N_2: R119.2 U4.B13(TXO_NO_DATA_N2) U8.T5(RXI_SO_DATA_N2)
UR_LR_NS_DATA_N_3: R111.2 U4.A14(TXO_NO_DATA_N3) U8.R6(RXI_SO_DATA_N3)
UR_LR_NS_DATA_N_4: R120.2 U4.D13(TXO_NO_DATA_N4) U8.V5(RXI_SO_DATA_N4)
UR_LR_NS_DATA_N_5: R112.2 U4.C14(TXO_NO_DATA_N5) U8.U6(RXI_SO_DATA_N5)
UR_LR_NS_DATA_N_6: R103.2 U4.B15(TXO_NO_DATA_N6) U8.T7(RXI_SO_DATA_N6)
UR_LR_NS_DATA_N_7: R95.2 U4.A16(TXO_NO_DATA_N7) U8.R8(RXI_SO_DATA_N7)
UR_LR_NS_DATA_P_0: R142.1 U4.D12(TXO_NO_DATA_P0) U8.V2(RXI_SO_DATA_P0)
UR_LR_NS_DATA_P_1: R128.1 U4.C13(TXO_NO_DATA_P1) U8.U3(RXI_SO_DATA_P1)
UR_LR_NS_DATA_P_2: R119.1 U4.B14(TXO_NO_DATA_P2) U8.T4(RXI_SO_DATA_P2)
UR_LR_NS_DATA_P_3: R111.1 U4.A15(TXO_NO_DATA_P3) U8.R5(RXI_SO_DATA_P3)
UR_LR_NS_DATA_P_4: R120.1 U4.D14(TXO_NO_DATA_P4) U8.V4(RXI_SO_DATA_P4)
UR_LR_NS_DATA_P_5: R112.1 U4.C15(TXO_NO_DATA_P5) U8.U5(RXI_SO_DATA_P5)
UR_LR_NS_DATA_P_6: R103.1 U4.B16(TXO_NO_DATA_P6) U8.T6(RXI_SO_DATA_P6)
UR_LR_NS_DATA_P_7: R95.1 U4.A17(TXO_NO_DATA_P7) U8.R7(RXI_SO_DATA_P7)
UR_LR_NS_FRAME_N: R96.2 U4.D9(TXO_NO_FRAME_N) U8.U8(RXI_SO_FRAME_N)
UR_LR_NS_FRAME_P: R96.1 U4.D10(TXO_NO_FRAME_P) U8.U7(RXI_SO_FRAME_P)
UR_LR_NS_LCLK_N: R104.2 U4.A12(TXO_NO_LCLK_N) U8.V7(RXI_SO_LCLK_N)
UR_LR_NS_LCLK_P: R104.1 U4.A13(TXO_NO_LCLK_P) U8.V6(RXI_SO_LCLK_P)
UR_LR_NS_RD_WAIT_N: R69.2 U4.B11(TXI_NO_RD_WAIT_N) U8.U10(RXO_SO_RD_WAIT_N)
UR_LR_NS_RD_WAIT_P: R69.1 U4.B12(TXI_NO_RD_WAIT_P) U8.U9(RXO_SO_RD_WAIT_P)
UR_LR_NS_WR_WAIT_N: R75.2 U4.C10(TXI_NO_WR_WAIT_N) U8.T9(RXO_SO_WR_WAIT_N)
UR_LR_NS_WR_WAIT_P: R75.1 U4.C11(TXI_NO_WR_WAIT_P) U8.T8(RXO_SO_WR_WAIT_P)
UR_LR_SN_DATA_N_0: R141.2 U4.R12(TXO_SO_DATA_N0) U8.A2(RXI_NO_DATA_N0)
UR_LR_SN_DATA_N_1: R127.2 U4.T13(TXO_SO_DATA_N1) U8.B3(RXI_NO_DATA_N1)
UR_LR_SN_DATA_N_2: R118.2 U4.U14(TXO_SO_DATA_N2) U8.C4(RXI_NO_DATA_N2)
UR_LR_SN_DATA_N_3: R110.2 U4.V15(TXO_SO_DATA_N3) U8.D5(RXI_NO_DATA_N3)
UR_LR_SN_DATA_N_4: R117.2 U4.R14(TXO_SO_DATA_N4) U8.A4(RXI_NO_DATA_N4)
UR_LR_SN_DATA_N_5: R109.2 U4.T15(TXO_SO_DATA_N5) U8.B5(RXI_NO_DATA_N5)
UR_LR_SN_DATA_N_6: R102.2 U4.U16(TXO_SO_DATA_N6) U8.C6(RXI_NO_DATA_N6)
UR_LR_SN_DATA_N_7: R94.2 U4.V17(TXO_SO_DATA_N7) U8.D7(RXI_NO_DATA_N7)
UR_LR_SN_DATA_P_0: R141.1 U4.R11(TXO_SO_DATA_P0) U8.A3(RXI_NO_DATA_P0)
UR_LR_SN_DATA_P_1: R127.1 U4.T12(TXO_SO_DATA_P1) U8.B4(RXI_NO_DATA_P1)
UR_LR_SN_DATA_P_2: R118.1 U4.U13(TXO_SO_DATA_P2) U8.C5(RXI_NO_DATA_P2)
UR_LR_SN_DATA_P_3: R110.1 U4.V14(TXO_SO_DATA_P3) U8.D6(RXI_NO_DATA_P3)
UR_LR_SN_DATA_P_4: R117.1 U4.R13(TXO_SO_DATA_P4) U8.A5(RXI_NO_DATA_P4)
UR_LR_SN_DATA_P_5: R109.1 U4.T14(TXO_SO_DATA_P5) U8.B6(RXI_NO_DATA_P5)
UR_LR_SN_DATA_P_6: R102.1 U4.U15(TXO_SO_DATA_P6) U8.C7(RXI_NO_DATA_P6)
UR_LR_SN_DATA_P_7: R94.1 U4.V16(TXO_SO_DATA_P7) U8.D8(RXI_NO_DATA_P7)
UR_LR_SN_FRAME_N: R93.2 U4.R10(TXO_SO_FRAME_N) U8.B7(RXI_NO_FRAME_N)
UR_LR_SN_FRAME_P: R93.1 U4.R9(TXO_SO_FRAME_P) U8.B8(RXI_NO_FRAME_P)
UR_LR_SN_LCLK_N: R101.2 U4.V13(TXO_SO_LCLK_N) U8.A6(RXI_NO_LCLK_N)
UR_LR_SN_LCLK_P: R101.1 U4.V12(TXO_SO_LCLK_P) U8.A7(RXI_NO_LCLK_P)
UR_LR_SN_RD_WAIT_N: R70.2 U4.U12(TXI_SO_RD_WAIT_N) U8.B9(RXO_NO_RD_WAIT_N)
UR_LR_SN_RD_WAIT_P: R70.1 U4.U11(TXI_SO_RD_WAIT_P) U8.B10(RXO_NO_RD_WAIT_P)
UR_LR_SN_WR_WAIT_N: R76.2 U4.T11(TXI_SO_WR_WAIT_N) U8.C8(RXO_NO_WR_WAIT_N)
UR_LR_SN_WR_WAIT_P: R76.1 U4.T10(TXI_SO_WR_WAIT_P) U8.C9(RXO_NO_WR_WAIT_P)
UR_RESET_L: R201.2 TP26.1(TP) U4.F11(RESET_N) U9.3(IO_B0_3)
UR_RXI_EA_DATA_N_0: P1.C23(LA18_N_CC) R41.2 U4.T18(RXI_EA_DATA_N0)
UR_RXI_EA_DATA_N_1: P1.H23(LA19_N) R48.2 U4.R17(RXI_EA_DATA_N1)
UR_RXI_EA_DATA_N_2: P1.G22(LA20_N) R56.2 U4.P16(RXI_EA_DATA_N2)
UR_RXI_EA_DATA_N_3: P1.H26(LA21_N) R62.2 U4.N15(RXI_EA_DATA_N3)
UR_RXI_EA_DATA_N_4: P1.G25(LA22_N) R40.2 U4.P18(RXI_EA_DATA_N4)
UR_RXI_EA_DATA_N_5: P1.D24(LA23_N) R47.2 U4.N17(RXI_EA_DATA_N5)
UR_RXI_EA_DATA_N_6: P1.H29(LA24_N) R55.2 U4.M16(RXI_EA_DATA_N6)
UR_RXI_EA_DATA_N_7: P1.G28(LA25_N) R61.2 U4.L15(RXI_EA_DATA_N7)
UR_RXI_EA_DATA_P_0: P1.C22(LA18_P_CC) R41.1 U4.U18(RXI_EA_DATA_P0)
UR_RXI_EA_DATA_P_1: P1.H22(LA19_P) R48.1 U4.T17(RXI_EA_DATA_P1)
UR_RXI_EA_DATA_P_2: P1.G21(LA20_P) R56.1 U4.R16(RXI_EA_DATA_P2)
UR_RXI_EA_DATA_P_3: P1.H25(LA21_P) R62.1 U4.P15(RXI_EA_DATA_P3)
UR_RXI_EA_DATA_P_4: P1.G24(LA22_P) R40.1 U4.R18(RXI_EA_DATA_P4)
UR_RXI_EA_DATA_P_5: P1.D23(LA23_P) R47.1 U4.P17(RXI_EA_DATA_P5)
UR_RXI_EA_DATA_P_6: P1.H28(LA24_P) R55.1 U4.N16(RXI_EA_DATA_P6)
UR_RXI_EA_DATA_P_7: P1.G27(LA25_P) R61.1 U4.M15(RXI_EA_DATA_P7)
UR_RXI_EA_FRAME_N: P1.D27(LA26_N) R46.2 U4.L17(RXI_EA_FRAME_N)
UR_RXI_EA_FRAME_P: P1.D26(LA26_P) R46.1 U4.M17(RXI_EA_FRAME_P)
UR_RXI_EA_LCLK_N: P1.D21(LA17_N_CC) R39.2 U4.M18(RXI_EA_LCLK_N)
UR_RXI_EA_LCLK_P: P1.D20(LA17_P_CC) R39.1 U4.N18(RXI_EA_LCLK_P)
UR_RXO_EA_RD_WAIT_N: P1.C27(LA27_N) U4.J17(RXO_EA_RD_WAIT_N)
UR_RXO_EA_RD_WAIT_P: P1.C26(LA27_P) U4.K17(RXO_EA_RD_WAIT_P)
UR_RXO_EA_WR_WAIT_N: P1.H32(LA28_N) U4.K16(RXO_EA_WR_WAIT_N)
UR_RXO_EA_WR_WAIT_P: P1.H31(LA28_P) U4.L16(RXO_EA_WR_WAIT_P)
UR_SCLKI_XID1: U4.E8(SCLKI_XID1) U9.66(IO_B1_66)
UR_SCLKO_YID1: U4.E11(SCLKO_YID1) U9.70(IO_B1_70)
UR_SDI_XID2: U4.F10(SDI_XID2) U9.67(IO_B1_67)
UR_SDO_YID2: U4.E9(SDO_YID2) U9.71(IO_B1_71)
UR_TXI_EA_RD_WAIT_N: P1.C15(LA10_N) R45.2 U4.G17(TXI_EA_RD_WAIT_N)
UR_TXI_EA_RD_WAIT_P: P1.C14(LA10_P) R45.1 U4.H17(TXI_EA_RD_WAIT_P)
UR_TXI_EA_WR_WAIT_N: P1.H17(LA11_N) R54.2 U4.H16(TXI_EA_WR_WAIT_N)
UR_TXI_EA_WR_WAIT_P: P1.H16(LA11_P) R54.1 U4.J16(TXI_EA_WR_WAIT_P)
UR_TXO_EA_DATA_N_0: P1.D9(LA01_N_CC) U4.G15(TXO_EA_DATA_N0)
UR_TXO_EA_DATA_N_1: P1.H8(LA02_N) U4.F16(TXO_EA_DATA_N1)
UR_TXO_EA_DATA_N_2: P1.G10(LA03_N) U4.E17(TXO_EA_DATA_N2)
UR_TXO_EA_DATA_N_3: P1.H11(LA04_N) U4.D18(TXO_EA_DATA_N3)
UR_TXO_EA_DATA_N_4: P1.D12(LA05_N) U4.E15(TXO_EA_DATA_N4)
UR_TXO_EA_DATA_N_5: P1.C11(LA06_N) U4.D16(TXO_EA_DATA_N5)
UR_TXO_EA_DATA_N_6: P1.H14(LA07_N) U4.C17(TXO_EA_DATA_N6)
UR_TXO_EA_DATA_N_7: P1.G13(LA08_N) U4.B18(TXO_EA_DATA_N7)
UR_TXO_EA_DATA_P_0: P1.D8(LA01_P_CC) U4.H15(TXO_EA_DATA_P0)
UR_TXO_EA_DATA_P_1: P1.H7(LA02_P) U4.G16(TXO_EA_DATA_P1)
UR_TXO_EA_DATA_P_2: P1.G9(LA03_P) U4.F17(TXO_EA_DATA_P2)
UR_TXO_EA_DATA_P_3: P1.H10(LA04_P) U4.E18(TXO_EA_DATA_P3)
UR_TXO_EA_DATA_P_4: P1.D11(LA05_P) U4.F15(TXO_EA_DATA_P4)
UR_TXO_EA_DATA_P_5: P1.C10(LA06_P) U4.E16(TXO_EA_DATA_P5)
UR_TXO_EA_DATA_P_6: P1.H13(LA07_P) U4.D17(TXO_EA_DATA_P6)
UR_TXO_EA_DATA_P_7: P1.G12(LA08_P) U4.C18(TXO_EA_DATA_P7)
UR_TXO_EA_FRAME_N: P1.D15(LA09_N) U4.J15(TXO_EA_FRAME_N)
UR_TXO_EA_FRAME_P: P1.D14(LA09_P) U4.K15(TXO_EA_FRAME_P)
UR_TXO_EA_LCLK_N: P1.G7(LA00_N_CC) U4.F18(TXO_EA_LCLK_N)
UR_TXO_EA_LCLK_P: P1.G6(LA00_P_CC) U4.G18(TXO_EA_LCLK_P)
UR_UL_WE_DATA_N_0: R177.2 U3.T18(RXI_EA_DATA_N0) U4.H4(TXO_WE_DATA_N0)
UR_UL_WE_DATA_N_1: R184.2 U3.R17(RXI_EA_DATA_N1) U4.G3(TXO_WE_DATA_N1)
UR_UL_WE_DATA_N_2: R191.2 U3.P16(RXI_EA_DATA_N2) U4.F2(TXO_WE_DATA_N2)
UR_UL_WE_DATA_N_3: R197.2 U3.N15(RXI_EA_DATA_N3) U4.E1(TXO_WE_DATA_N3)
UR_UL_WE_DATA_N_4: R176.2 U3.P18(RXI_EA_DATA_N4) U4.F4(TXO_WE_DATA_N4)
UR_UL_WE_DATA_N_5: R183.2 U3.N17(RXI_EA_DATA_N5) U4.E3(TXO_WE_DATA_N5)
UR_UL_WE_DATA_N_6: R190.2 U3.M16(RXI_EA_DATA_N6) U4.D2(TXO_WE_DATA_N6)
UR_UL_WE_DATA_N_7: R196.2 U3.L15(RXI_EA_DATA_N7) U4.C1(TXO_WE_DATA_N7)
UR_UL_WE_DATA_P_0: R177.1 U3.U18(RXI_EA_DATA_P0) U4.G4(TXO_WE_DATA_P0)
UR_UL_WE_DATA_P_1: R184.1 U3.T17(RXI_EA_DATA_P1) U4.F3(TXO_WE_DATA_P1)
UR_UL_WE_DATA_P_2: R191.1 U3.R16(RXI_EA_DATA_P2) U4.E2(TXO_WE_DATA_P2)
UR_UL_WE_DATA_P_3: R197.1 U3.P15(RXI_EA_DATA_P3) U4.D1(TXO_WE_DATA_P3)
UR_UL_WE_DATA_P_4: R176.1 U3.R18(RXI_EA_DATA_P4) U4.E4(TXO_WE_DATA_P4)
UR_UL_WE_DATA_P_5: R183.1 U3.P17(RXI_EA_DATA_P5) U4.D3(TXO_WE_DATA_P5)
